# Altium PCB PCB1.PcbDoc
Units mil, origin at the board's own origin, x right, y up, seen from the top; angles counter-clockwise.
Board outline 1294.43 x 885.83 mil, 4 copper layers (Top Layer, GND, Sign, Bottom Layer), stack 23.756 mil thick; 63 components, 56 nets, 292 pads, 222 vias.
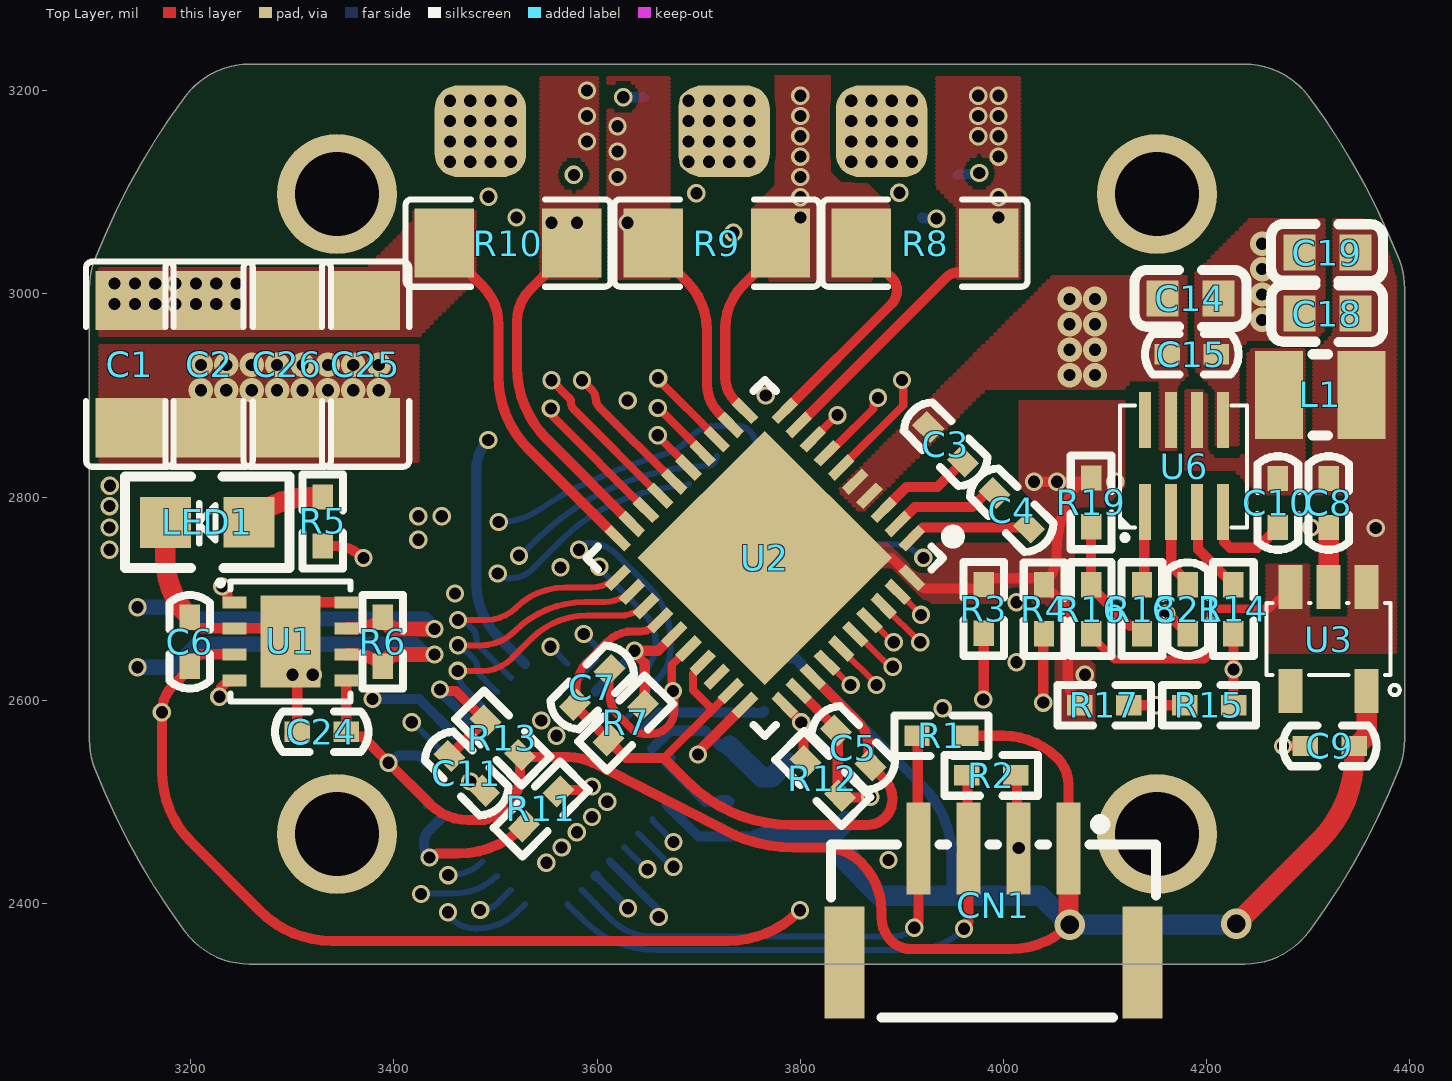
[diagram p0: Top Layer view]
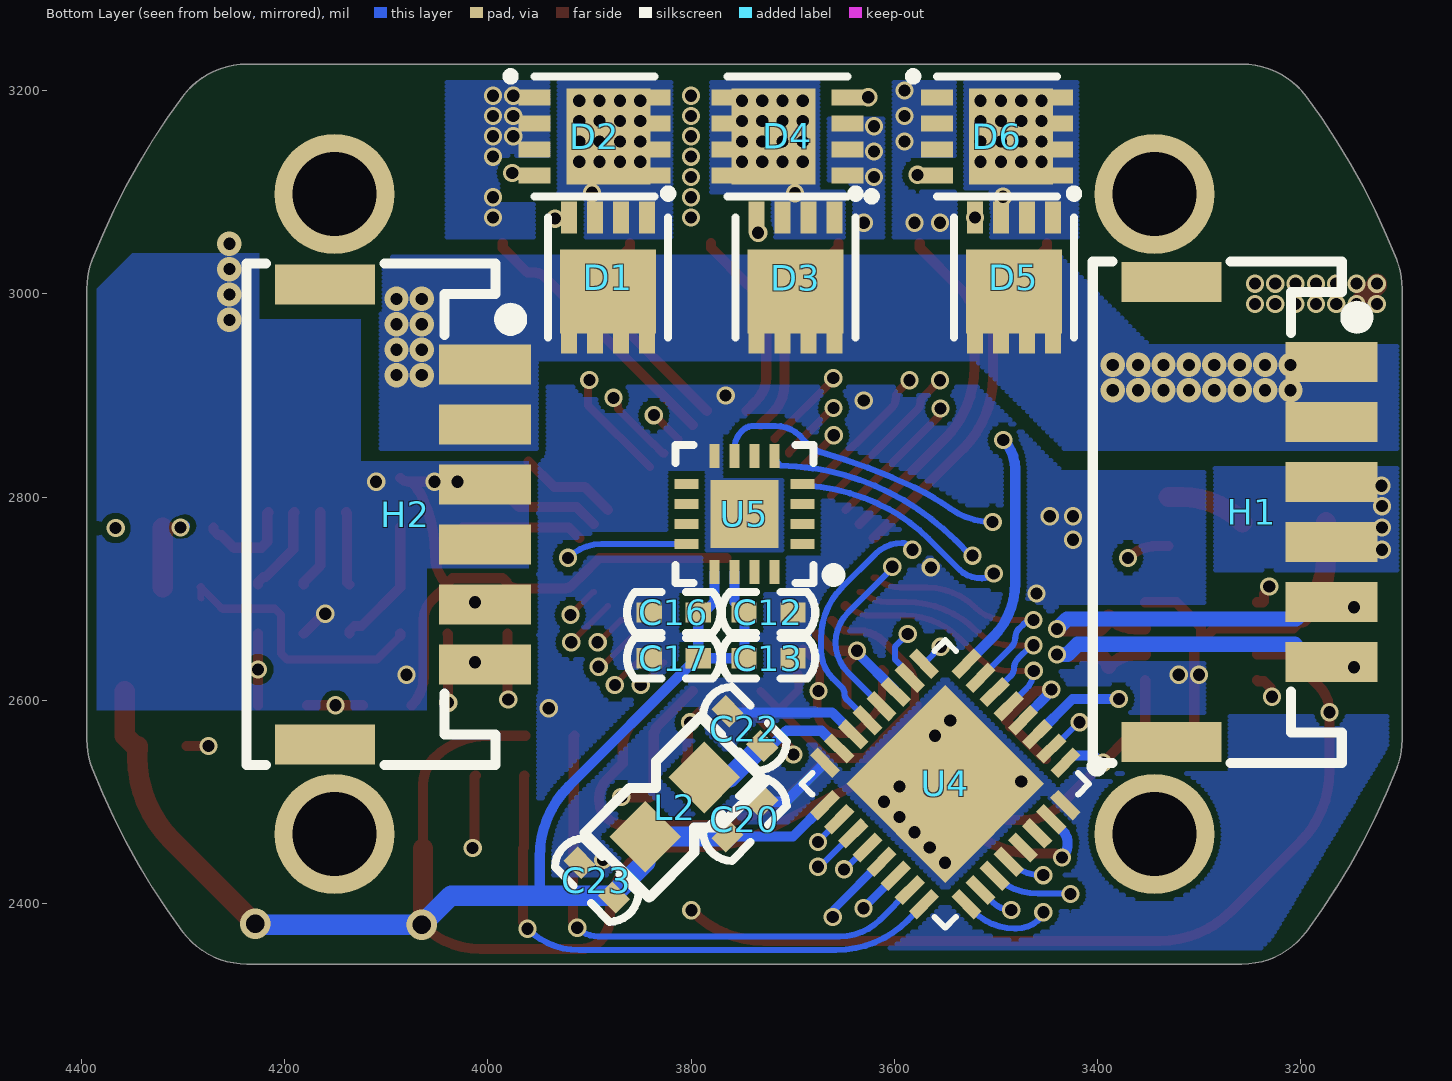
[diagram p1: Bottom Layer view, seen from below]
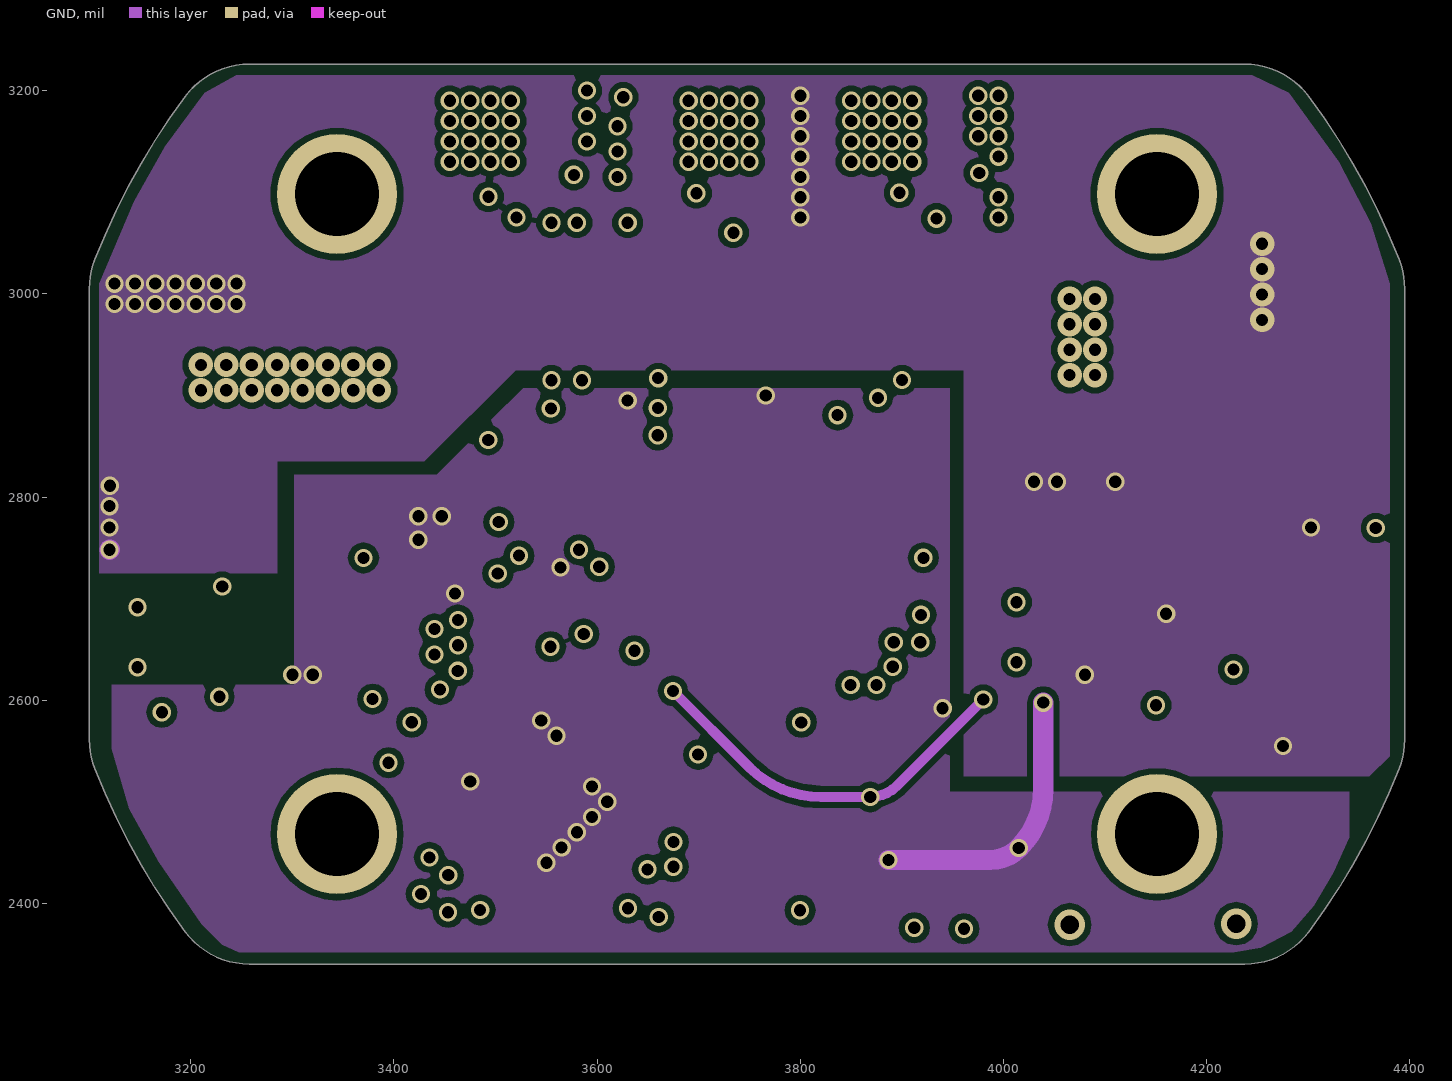
[diagram p2: GND]
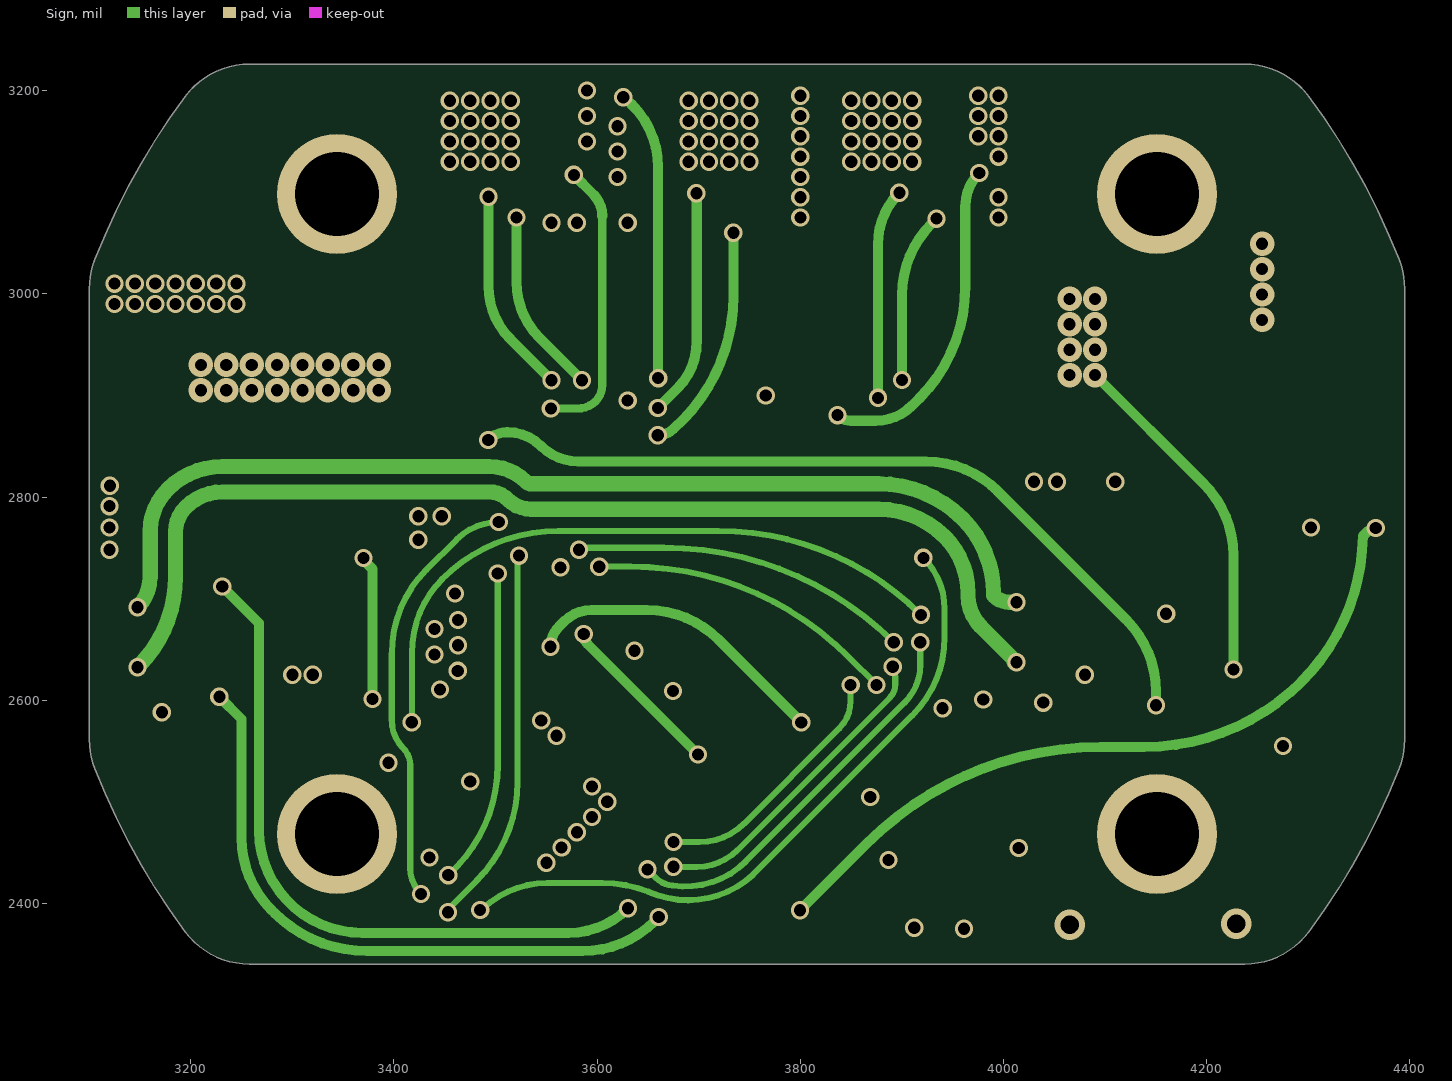
[diagram p3: Sign]
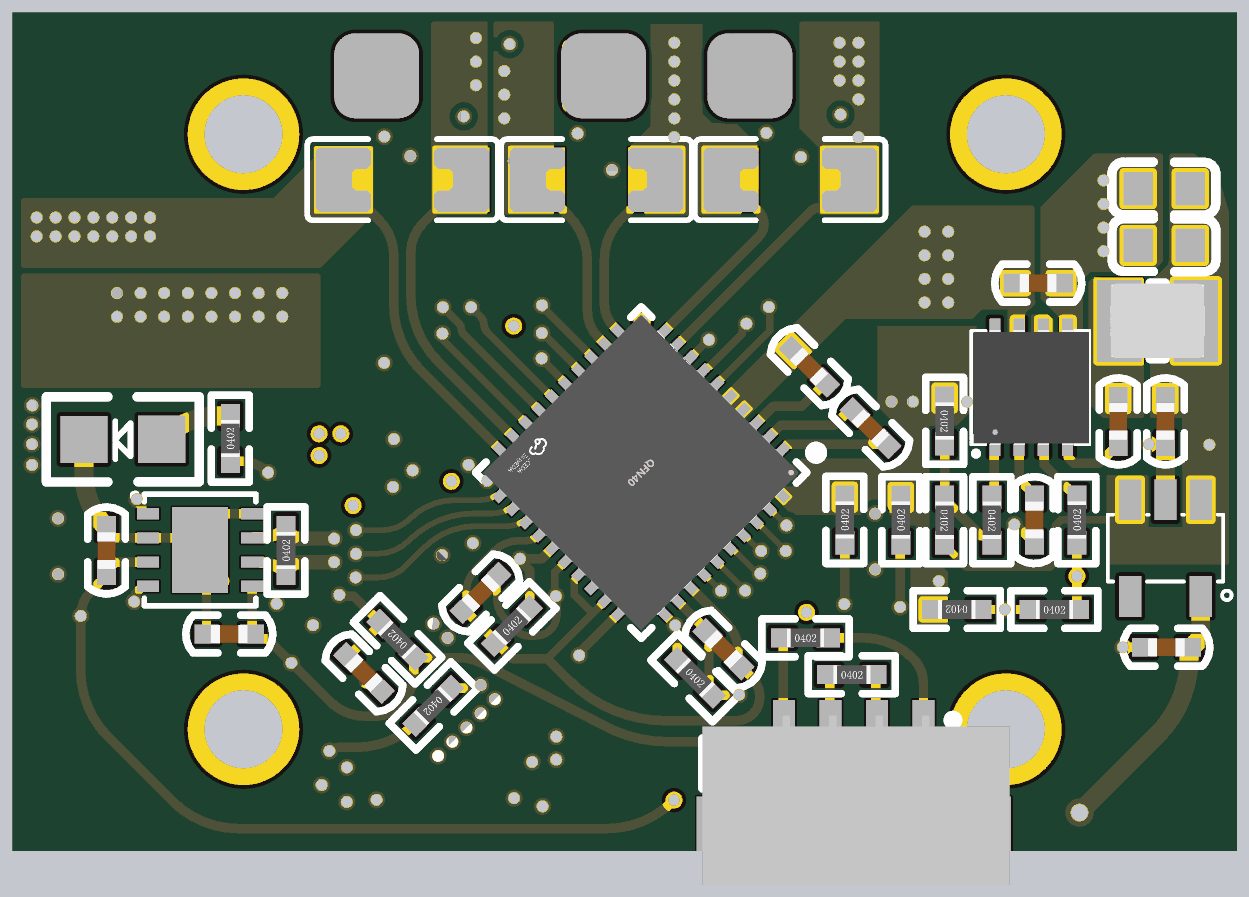
[diagram p4: 3D render of the assembled board from above, using the file's embedded part models]
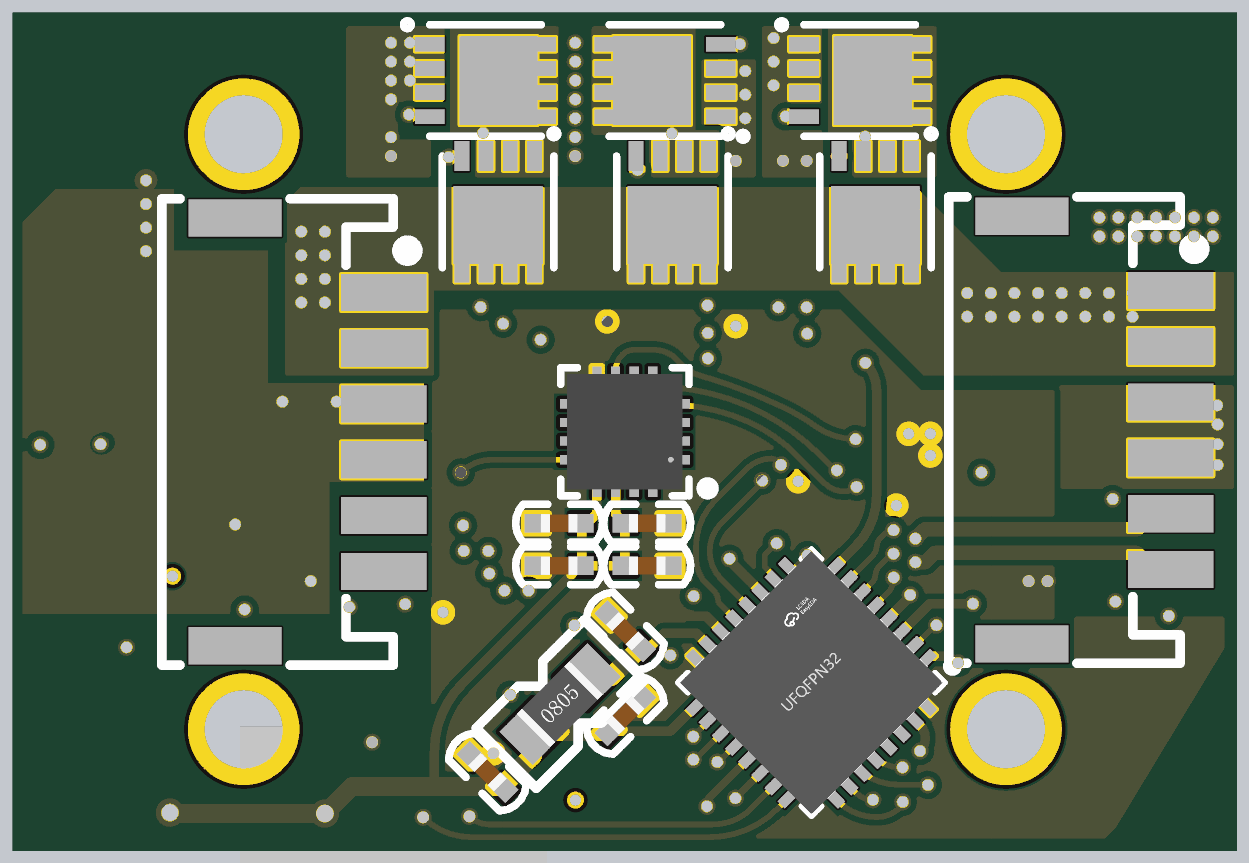
[diagram p5: 3D render of the assembled board from below, using the file's embedded part models]

## Layer stack, top to bottom
Top Solder: solder mask 0.4, Solder Resist, Dk 3.5
Top Layer: signal copper 1.4
Dielectric 2: prepreg 2.8, PP-006, Dk 4.1
GND: signal copper 1.378
Dielectric 1: dielectric 12.6, FR-4, Dk 4.8
Sign: signal copper 1.378
Dielectric 3: prepreg 2.8, PP-006, Dk 4.1
Bottom Layer: signal copper 1.4
Bottom Solder: solder mask 0.4, Solder Resist, Dk 3.5

## Board outline
3194.62,2372 cw(c3747.47,2783.17) 3105.64,2532.67 cw(c3178.99,2561.3) 3100.25,2561.3 3100.25,3005.03 cw(c3178.99,3005.03) 3105.64,3033.66 cw(c3747.46,2783.17) 3194.62,3194.33 cw(c3257.81,3147.34) 3257.81,3226.08 4237.13,3226.08 cw(c4237.13,3147.34) 4300.31,3194.33 cw(c3747.47,2783.17) 4389.29,3033.66 cw(c4315.94,3005.03) 4394.68,3005.03 4394.68,2561.3 cw(c4315.94,2561.3) 4389.29,2532.67 cw(c3747.47,2783.16) 4300.31,2372 cw(c4237.13,2418.99) 4237.13,2340.25 3257.81,2340.25 cw(c3257.81,2418.99)

## Design rules (kind name [scope] priority, off if disabled: settings)
Clearance [All] p1: gap=6 ignorepadtopadclearanceinfootprint=FALSE except(0: Arc-Hole Track-Hole SMDPad-Hole THPad-Hole Via-Hole Fill-Hole Poly-Hole Region-Hole Text-Hole)
DiffPairsRouting [All] p1: maxlimit=10 minlimit=10 mostfreqgap=10 toplayer_minwidth=12 toplayer_maxwidth=15 toplayer_prefwidth=15 midlayer1_minwidth=15 midlayer1_maxwidth=15 midlayer1_prefwidth=15 midlayer2_minwidth=15 midlayer2_maxwidth=15 midlayer2_prefwidth=15 bottomlayer_minwidth=15 bottomlayer_maxwidth=15 bottomlayer_prefwidth=15 maxuncoupledlength=500
HoleToHoleClearance [All] p1: gap=0 allowstackedmicrovias=TRUE
MinimumSolderMaskSliver [All] p1: minsoldermaskwidth=0
PlaneClearance [All] p1: clearance=6
PlaneConnect [All] p1: planeconnectstyle=Direct reliefexpansion=20 reliefentries=4 reliefconductorwidth=10 reliefairgap=10
PolygonConnect [All] p1: connectstyle=Direct reliefconductorwidth=10 reliefentries=4 polygonreliefangle="90 Angle" airgapwidth=10
RoutingVias [All] p1: holewidth=12 width=18 viastyle="Through Hole" minholewidth=12 minwidth=18 maxholewidth=28 maxwidth=50
SilkToSilkClearance [All] p1: silktosilkclearance=0
SilkToSolderMaskClearance [IsPad] p1: minsilkscreentomaskgap=0 clearancetoexposedcopper=TRUE
SolderMaskExpansion [All] p1: expansion=4 istentingtop=FALSE
Width [All] p1: maxlimit=20 minlimit=6 preferedwidth=10
23 further rules are at their usual default settings.

## Classes and differential pairs
differential pair CAN: +CAN_P -CAN_N

## Components (designator, comment, footprint, x,y, rotation, side; value= is the part's Value field where it differs from the comment)
C1 "100uF" 1206 3156.98,3521.63 r270 top
C2 "100uF" 1206 3234.98,3521.63 r270 top
C3 "1uF" c0402 3960,2835 r135 top
C4 "47nF" c0402 4025,2770 r135 top
C5 "1uF" c0402 3835,2570 r315 top
C6 "0.1uF" c0402 3198.93,2681.57 r270 top
C7 "0.1uF" c0402 3612.1,2629.59 r225 top
C8 "10uF" c0402 4320,2770 r90 top
C9 "10uF" c0402 4296.8,2555 r0 top
C10 "100nF" c0402 4270,2770 r90 top
C11 "0.1uF" c0402 3488.58,2510.84 r135 top
C12 "1uF" C0402 3747.93,2686.33 r180 bottom
C13 "100nF" C0402 3747.93,2641.33 r180 bottom
C14 "10uF" C0603 4799.08,3083.51 r180 top
C15 "100nF" c0402 4209.38,2940.55 r180 top
C16 "1uF" C0402 3841.13,2686.33 r180 bottom
C17 "100nF" C0402 3841.13,2641.33 r180 bottom
C18 "10uF" C0603 3703.41,2892.6 r0 top
C19 "10uF" C0603 3703.29,2952.6 r0 top
C20 "0.1uF" c0402 3764.08,2465.92 r135 bottom
C21 "100nF" c0402 4181.18,2665.55 r90 top
C22 "0.1uF" c0402 3764.08,2589.08 r225 bottom
C23 "0.1uF" c0402 3910,2440 r225 bottom
C24 "0.1uF" c0402 3353,2569 r180 top
C25 "100uF" 1206 3388.98,3521.63 r270 top
C26 "100uF" 1206 3311.98,3521.63 r270 top
CN1 "卧式STLINK" CONN-SMD_4P-P1.25_GH1.25-4P 3990,2398 r0 top
D1 "NTMFS5C410NL" DFN-8_L3.0-W3.0-P0.65-BL 3881.61,3015.94 r0 bottom
D2 "NTMFS5C410NL" DFN-8_L3.0-W3.0-P0.65-BL 3895,3155 r270 bottom
D3 "NTMFS5C410NL" DFN-8_L3.0-W3.0-P0.65-BL 3697.2,3015.94 r0 bottom
D4 "NTMFS5C410NL" DFN-8_L3.0-W3.0-P0.65-BL 3705,3155 r90 bottom
D5 "NTMFS5C410NL" DFN-8_L3.0-W3.0-P0.65-BL 3482.2,3015.94 r0 bottom
D6 "NTMFS5C410NL" DFN-8_L3.0-W3.0-P0.65-BL 3498.78,3155 r270 bottom
H1 "卧式GH1.25 6PIN" CONN-SMD_6P-P1.50_ZX-ZH1.5-6PWT 3267,2785 r270 bottom
H2 "卧式GH1.25 6PIN" CONN-SMD_6P-P1.50_ZX-ZH1.5-6PWT 4100,2783 r270 bottom
L1 "22uH" IND-SMD_L2.5-W2.0 4311.66,2900.55 r180 top value=10uH
L2 "10μH" L0805 3845,2465.61 r135 bottom
LED1 "LED" led0805 3257.3,2775.2 r180 top
R1 "10KΩ" R0402 3914.8,2565 r0 top
R2 "10KΩ" R0402 3963.8,2526 r0 top
R3 "0Ω" R0402 3980.53,2665.71 r90 top
R4 "0Ω" R0402 4039.81,2665.48 r90 top
R5 "2KΩ" R0402 3330,2751.8 r90 top
R6 "120Ω" R0402 3388.93,2633.37 r90 top
R7 "10KΩ" R0402 3611.05,2560.62 r45 top
R8 "30mR" 1206 3331.77,3066.98 r0 top
R9 "30mR" 1206 4308.63,3033.02 r180 top
R10 "30mR" 1206 2921.37,3066.98 r0 top
R11 "10KΩ" R0402 3562,2510 r225 top
R12 "200KΩ" R0402 3805,2540 r315 top
R13 "10KΩ" R0402 3524.08,2545.92 r135 top
R14 "10KΩ" R0402 4226.18,2665.55 r90 top
R15 "10KΩ" R0402 4178.2,2595 r0 top
R16 "43KΩ" R0402 4086.18,2713.75 r270 top
R17 "1KΩ" R0402 4123.2,2595 r180 top
R18 "51KΩ" R0402 4136.18,2713.75 r270 top
R19 "8.2KΩ" R0402 4086.18,2818.75 r270 top
U1 "SIT1057QTK/3" DFN-8_L3.0-W3.0-P0.65-BL-EP 3293.93,2658.37 r270 top
U2 "DRV8323HRTAR" QFN-40_L6.0-W6.0-P0.50-BL-EP4.5 3765,2740 r135 top
U3 "XC6201P332MR-HXY" SOT-23-5_L3.0-W1.7-P0.95-LS2.8-BR 4320,2660 r90 top
U4 "STM32G431KBU3" UFQFPN-32_L5.0-W5.0-P0.50-BL-EP3.5 3549.88,2517.62 r45 bottom
U5 "MA600" qfn-16-l3.0-w3.0-p0.50-tl-ep1.7 3747.47,2783.16 r0 bottom locked
U6 "MP9943" "QFN-8 3x3" 4139.41,2785 r90 top

## Footprints (in the part's own frame and the unit in brackets; to place one, negate y for a bottom-side part, rotate by r counter-clockwise, add the part's x,y. Pads: shape width x height; smd on the part's side, far side on the other; paste and mask are expansions set on the pad)
1206 [mm]
  rect 1.485x1.728 smd paste-100 mask+0.051: 1(13.417,-0.431) 2(16.602,-0.431)
  silkscreen extent 12.45,-1.52 17.57,0.66, body extent 13.41,-1.24 16.61,0.38, height 1.11
c0402 [mil]
  rect 25x20 smd: 1(0,0) 2(48.2,0)
  silkscreen extent -22,-20 70,20, body extent 5,-10 44,10, height 20
C0402 [mil]
  rect 25x20 smd: 1(0,0) 2(48.2,0)
  silkscreen extent -22,-20 70,20, body extent 5,-10 44,10, height 20
C0603 [mm]
  rect 0.8x0.9 smd: 1(14.929,2.234) 2(16.33,2.234)
  silkscreen extent 14.22,1.52 17.02,2.95, body extent 14.82,1.84 16.42,2.64, height 0.78
CONN-SMD_4P-P1.25_GH1.25-4P [mm]
  rect 0.6x2.3 smd mask+0.051: 1(1.875,1.425) 2(0.625,1.425) 3(-0.625,1.425) 4(-1.875,1.425)
  rect 1x2.8 smd mask+0.051: 5(-3.725,-1.425) 6(3.725,-1.425)
  silkscreen extent -4.06,-2.8 4.06,2.16, body extent -4.07,-2.4 4.19,2.15, height 4.13
CONN-SMD_6P-P1.50_ZX-ZH1.5-6PWT [mm]
  rect 1x2.3 smd paste+0 mask+0.05: 1(-3.75,2.473) 2(-2.25,2.473) 3(-0.75,2.473) 4(0.75,2.473) 5(2.25,2.473) 6(3.75,2.473)
  rect 1x2.5 smd paste+0 mask+0.05: 7(5.75,-1.527) 8(-5.75,-1.527)
  silkscreen extent -6.27,-3.5 6.27,3.52
DFN-8_L3.0-W3.0-P0.65-BL [mm]
  rect 0.4x0.8 smd paste-100 mask+0.051: D(-0.975,1.5) D(-0.325,1.5) D(0.325,1.5) D(0.975,1.5) G(0.975,-1.5) S(-0.975,-1.5) S(-0.325,-1.5) S(0.325,-1.5)
  rect 2.4x2.1 smd paste-100 mask+0.051: D(0,0.35)
  silkscreen extent -1.6,-2.2 1.5,1.5, body extent -1.55,-1.6 1.55,1.6, height 0.8
DFN-8_L3.0-W3.0-P0.65-BL-EP [mm]
  rect 0.3x0.6 smd paste+0 mask+0.05: 1(-0.966,-1.297) 2(-0.316,-1.297) 3(0.334,-1.297) 4(0.984,-1.297) 5(0.984,1.503) 6(0.334,1.503) 7(-0.316,1.503) 8(-0.966,1.503)
  rect 2.3x1.5 smd paste+0 mask+0.05: 9(0.009,0.103)
  silkscreen extent -1.5,-1.7 1.51,1.6
IND-SMD_L2.5-W2.0 [mm]
  rect 1.2x2.2 smd: 1(1.028,0) 2(-1.028,0)
  silkscreen extent -0.2,-1.02 0.2,1.02, body extent -1.26,-1 1.26,1, height 1.2
L0805 [mil]
  rect 50x50 smd: 1(0,0) 2(82.3,0.2)
  silkscreen extent -40,-45 122,45, body extent 1,-24 80,25, height 22
led0805 [mil] "1/8W"
  rect 50x50 smd: 1(0,0) 2(82.3,0.2)
  silkscreen extent -40,-45 122,45, body extent 2,-25 80,25, height 20
"QFN-8 3x3" [mm]
  rect 1.4x0.3 smd: 1(0,0) 2(0,-0.65) 3(0,-1.3) 4(0,-1.95) 5(2.3,-1.95) 6(2.3,-1.3) 7(2.3,-0.65) 8(2.3,0)
  silkscreen extent -0.64,-2.54 2.67,0.64, body extent -0.41,-2.53 2.69,0.57, height 0.94
qfn-16-l3.0-w3.0-p0.50-tl-ep1.7 [mm]
  rect 0.6x0.25 smd: 1(-1.45,0.75) 2(-1.45,0.25) 3(-1.45,-0.25) 4(-1.45,-0.75) 9(1.45,-0.75) 10(1.45,-0.25) 11(1.45,0.25) 12(1.45,0.75)
  rect 0.25x0.6 smd: 5(-0.75,-1.45) 6(-0.25,-1.45) 7(0.25,-1.45) 8(0.75,-1.45) 13(0.75,1.45) 14(0.25,1.45) 15(-0.25,1.45) 16(-0.75,1.45)
  rect 1.7x1.7 smd: 17(0,0)
  silkscreen extent -2.38,-1.72 1.72,1.72, body extent -1.55,-1.55 1.55,1.55, height 0.94
QFN-40_L6.0-W6.0-P0.50-BL-EP4.5 [mm]
  rect 0.25x0.7 smd paste-100 mask+0.051: 1(-2.25,-2.95) 2(-1.75,-2.95) 3(-1.25,-2.95) 4(-0.75,-2.95) 5(-0.25,-2.95) 6(0.25,-2.95) 7(0.75,-2.95) 8(1.25,-2.95) 9(1.75,-2.95) 10(2.25,-2.95) 21(2.25,2.95) 22(1.75,2.95) 23(1.25,2.95) 24(0.75,2.95) 25(0.25,2.95) 26(-0.25,2.95) 27(-0.75,2.95) 28(-1.25,2.95) 29(-1.75,2.95) 30(-2.25,2.95)
  rect 0.7x0.25 smd paste-100 mask+0.051: 11(2.95,-2.25) 12(2.95,-1.75) 13(2.95,-1.25) 14(2.95,-0.75) 15(2.95,-0.25) 16(2.95,0.25) 17(2.95,0.75) 18(2.95,1.25) 19(2.95,1.75) 20(2.95,2.25) 31(-2.95,2.25) 32(-2.95,1.75) 33(-2.95,1.25) 34(-2.95,0.75) 35(-2.95,0.25) 36(-2.95,-0.25) 37(-2.95,-0.75) 38(-2.95,-1.25) 39(-2.95,-1.75) 40(-2.95,-2.25)
  rect 4.5x4.5 smd paste-100 mask+0.051: 41(0,0)
  silkscreen extent -3.15,-3.85 3.15,3.15, body extent -3.01,-3.01 3.01,3.01, height 0.83
R0402 [mil] "1/16W"
  rect 25x20 smd: 1(0,0) 2(48.2,0)
  silkscreen extent -22,-20 70,20, body extent 5,-10 44,10, height 14
SOT-23-5_L3.0-W1.7-P0.95-LS2.8-BR [mm]
  rect 1.1x0.6 smd: 1(1.3,-0.95) 2(1.3,0) 3(1.3,0.95) 4(-1.3,0.95) 5(-1.3,-0.95)
  silkscreen extent -1.4,-1.78 0.9,1.55, body extent -1.5,-1.5 1.5,1.5, height 1.3
UFQFPN-32_L5.0-W5.0-P0.50-BL-EP3.5 [mm]
  rect 0.28x0.8 smd paste-100 mask+0.051: 1(-1.75,-2.5) 2(-1.25,-2.5) 3(-0.75,-2.5) 4(-0.25,-2.5) 5(0.25,-2.5) 6(0.75,-2.5) 7(1.25,-2.5) 8(1.75,-2.5) 17(1.75,2.5) 18(1.25,2.5) 19(0.75,2.5) 20(0.25,2.5) 21(-0.25,2.5) 22(-0.75,2.5) 23(-1.25,2.5) 24(-1.75,2.5)
  rect 0.8x0.28 smd paste-100 mask+0.051: 9(2.5,-1.75) 10(2.5,-1.25) 11(2.5,-0.75) 12(2.5,-0.25) 13(2.5,0.25) 14(2.5,0.75) 15(2.5,1.25) 16(2.5,1.75) 25(-2.5,1.75) 26(-2.5,1.25) 27(-2.5,0.75) 28(-2.5,0.25) 29(-2.5,-0.25) 30(-2.5,-0.75) 31(-2.5,-1.25) 32(-2.5,-1.75)
  rect 3.5x3.5 smd paste-100 mask+0.051: 33(0,0)
  silkscreen extent -2.54,-3.12 2.54,2.54, body extent -2.51,-2.52 2.52,2.51, height 0.61

## Part data
C1 C2 C14 C18 C19 C25 C26: library part 1210贴片电容, "1210贴片电容"
C3 C4 C5 C6 C7 C8 C9 C10 C11 C12 C13 C15 C16 C17 C20 C21 C22 C23 C24: library part 0402贴片电容, "贴片电容0402"
D1 D2 D3 D4 D5 D6: "N沟道MOS管", ComponentLink1Description="Manufacturer Link", ComponentLink1URL=http://www.irf.com/, DatasheetVersion=PD-9.814, LatestRevisionDate=17-Jul-2002, LatestRevisionNote="Re-released for DXP Platform.", Note="Pin 2 is electrically connected to pin 4.", PackageDescription="TO, Thru-Hole, Vertical, Heatsink Mounted; 3 In-Line Leads; Pitch 2.54 mm", PackageReference=TO-220AB, PackageVersion=Feb-1997, Published=8-Jun-2000, Publisher="Altium Limited"
L1: library part 0530屏蔽电感, "一体成型屏蔽电感，0530封装，额定电流3A", DC Resistance (DCR)=125mΩ, JLCPCB Part Class="Extended Part", LCSC Part Name="10uH ±20% 3.5A", Manufacturer=XR(祥如), Manufacturer Part=XR0530-100M, Rated Current=3.2A, Saturation Current (Isat)=3.5A, Tolerance=±20%, Add into BOM=yes, Convert to PCB=yes, Datasheet=https://atta.szlcsc.com/upload/public/pdf/source/20240328/42FE63A3232C4AF7EB8F1CDEDD5FC69F.pdf, Device=XR0530-100M, Supplier=LCSC, Supplier Footprint=SMD,0530, Supplier Part=C5307602, Symbol=XR0530-100M, Type=一体成型电感
L2: library part 0805贴片电感, "0805贴片电感"
LED1: library part 0805贴片LED, "0805贴片LED"
R1 R2 R3 R4 R5 R6 R7 R11 R12 R13 R14 R15 R16 R17 R18 R19: library part 0402贴片电阻, "0402贴片电阻"
R8 R9 R10: library part 2512检流电阻, "2512检流电阻"
U2: JLCPCB Part Class="Extended Part", LCSC Part Name="5mA 无刷直流BLDC电机驱动芯片 60V", Manufacturer=TI(德州仪器), Add into BOM=yes, Convert to PCB=yes, Datasheet=https://www.ti.com/cn/lit/gpn/drv8323, Device=DRV8323HRTAR, Manufacturer Part=DRV8323HRTAR, Supplier=LCSC, Supplier Footprint=QFN-40-EP(6x6), Supplier Part=C701783, Symbol=DRV8323HRTAR
U3: "3.3V LDO", JLCPCB Part Class="Extended Part", Manufacturer="HXY MOSFET(华轩阳电子)", MAX Output Current=300mA, Maximum Input Voltage=12V, Output Voltage=3.3V, Add into BOM=yes, Convert to PCB=yes, Datasheet=https://atta.szlcsc.com/upload/public/pdf/source/20231208/3D7EFECB06481ED5AED4680614D7FFF5.pdf, Device=XC6201P332MR-HXY, LCSC Part Name=XC6201P332MR-HXY, Manufacturer Part=XC6201P332MR-HXY, Output Polarity=正极, Output Type=固定, Supplier=LCSC, Supplier Footprint=SOT-23-5L, Supplier Part=C19626990, Symbol=XC6201P332MR-HXY
U4: JLCPCB Part Class="Extended Part", LCSC Part Name="带DSP和FPU的170MHz主流ARM Cortex-M4 MCU，具有128 KB Flash存储器、数学加速器和中等模拟电平集成", Low Voltage Detection Threshold=1.71V~3.6V, Manufacturer=ST(意法半导体), ADC (Bit)=12bit, Add into BOM=yes, Application Area=-, Convert to PCB=yes, CPU Core=ARM-M4, CPU Maximum Speed=170MHz, DAC (Bit)=12bit, Datasheet=https://atta.szlcsc.com/upload/public/pdf/source/20210607/F3CD0646E5D00AAFDE875C196C2D7333.pdf, Device=STM32G431KBU3, Manufacturer Part=STM32G431KBU3, Number of I/O=26, Program Memory Type=FLASH, Program Storage Size=128KB, Supplier=LCSC, Supplier Footprint=UFQFPN-32(5x5), Supplier Part=C1341901, Symbol=STM32G431KBU3
U5: "磁编码器"

## Free pads (board coordinates)
  round 118.11 hole 82.68: 5(3343.92,3098.12) 6(3343.92,2468.2) 7(4151.01,2468.2) 8(4151.01,3098.12)
  rrect50% 90x90 smd: 9(3485,3160) 9(3725,3160) 9(3880,3160)

## Via types
v1: diameter 18, hole 12, Top Layer to Bottom Layer, tented both sides, 181 vias
v2: diameter 24, hole 12, Top Layer to Bottom Layer, tented both sides, 28 vias
v3: diameter 18, hole 12, Top Layer to Bottom Layer, 11 vias
v4: diameter 30, hole 18, Top Layer to Bottom Layer, tented both sides, 2 vias
